# KiCad board power.kicad_pcb (continued)
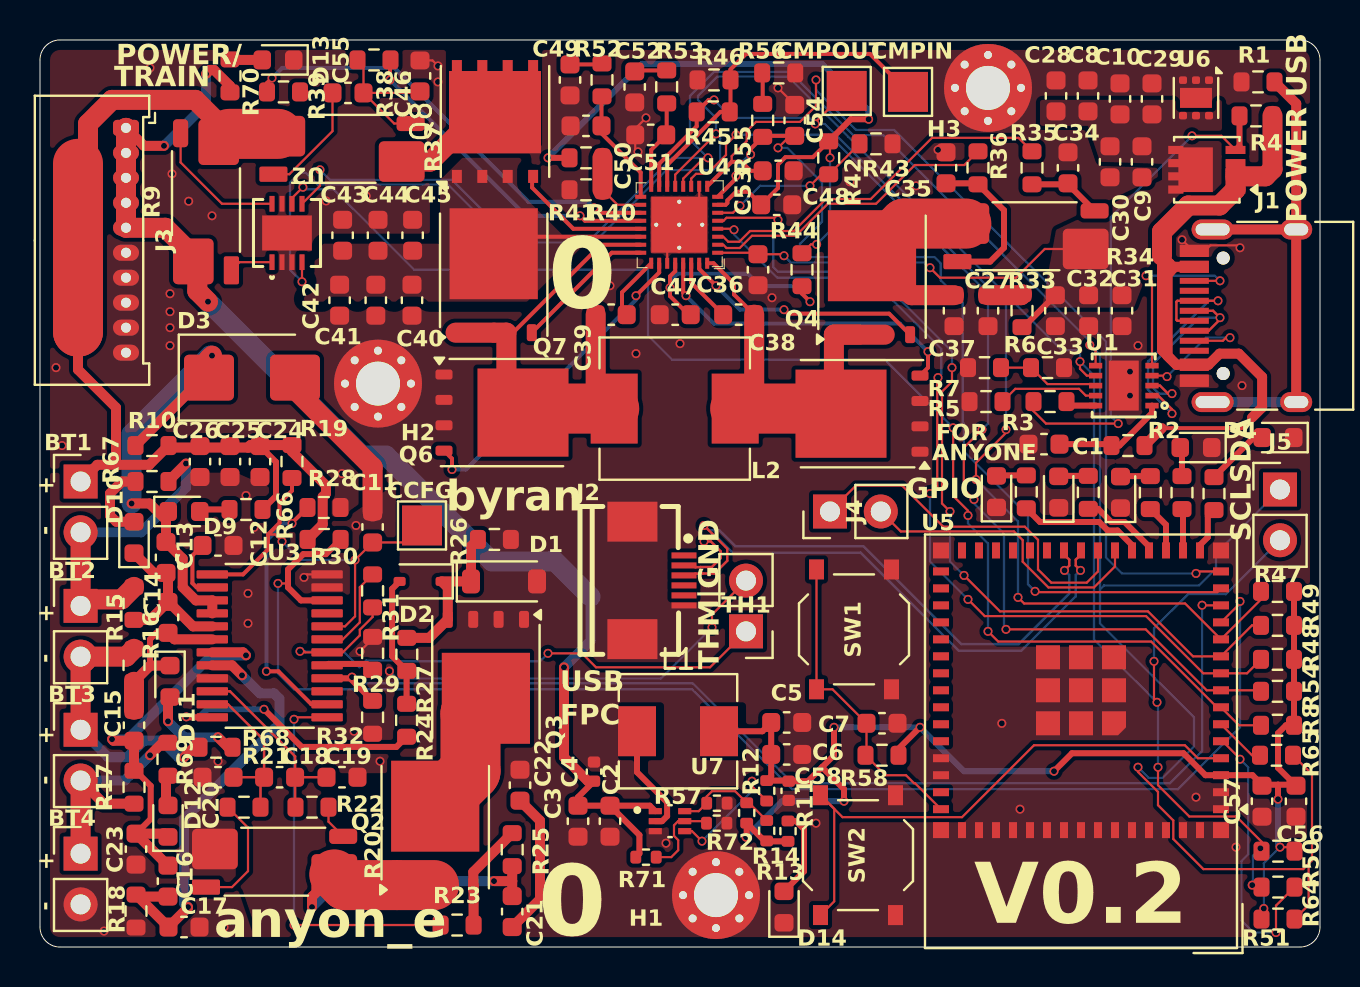
[diagram p0: board, top side]
## Text on the board (continued)
B.Silkscreen: IN YOUR HANDS | PHILLIPS EXETER ACADEMY | BYRAN HUANG / '25 | POWER / TRAIN / V0.2 | ATTEMPT THE IMPOSSIBLE. | anyon_e | 0
F.Silkscreen: 0 | +    - | ANYONE | FOR __ | CCFG | CMPOUT | CMPIN | TRAIN | POWER/ | USB / FPC | POWER USB | GPIO | THM|GND | SCLSDA | byran | anyon_e | V0.2
